# Altium PCB AMT5000-24.PcbDoc (continued)
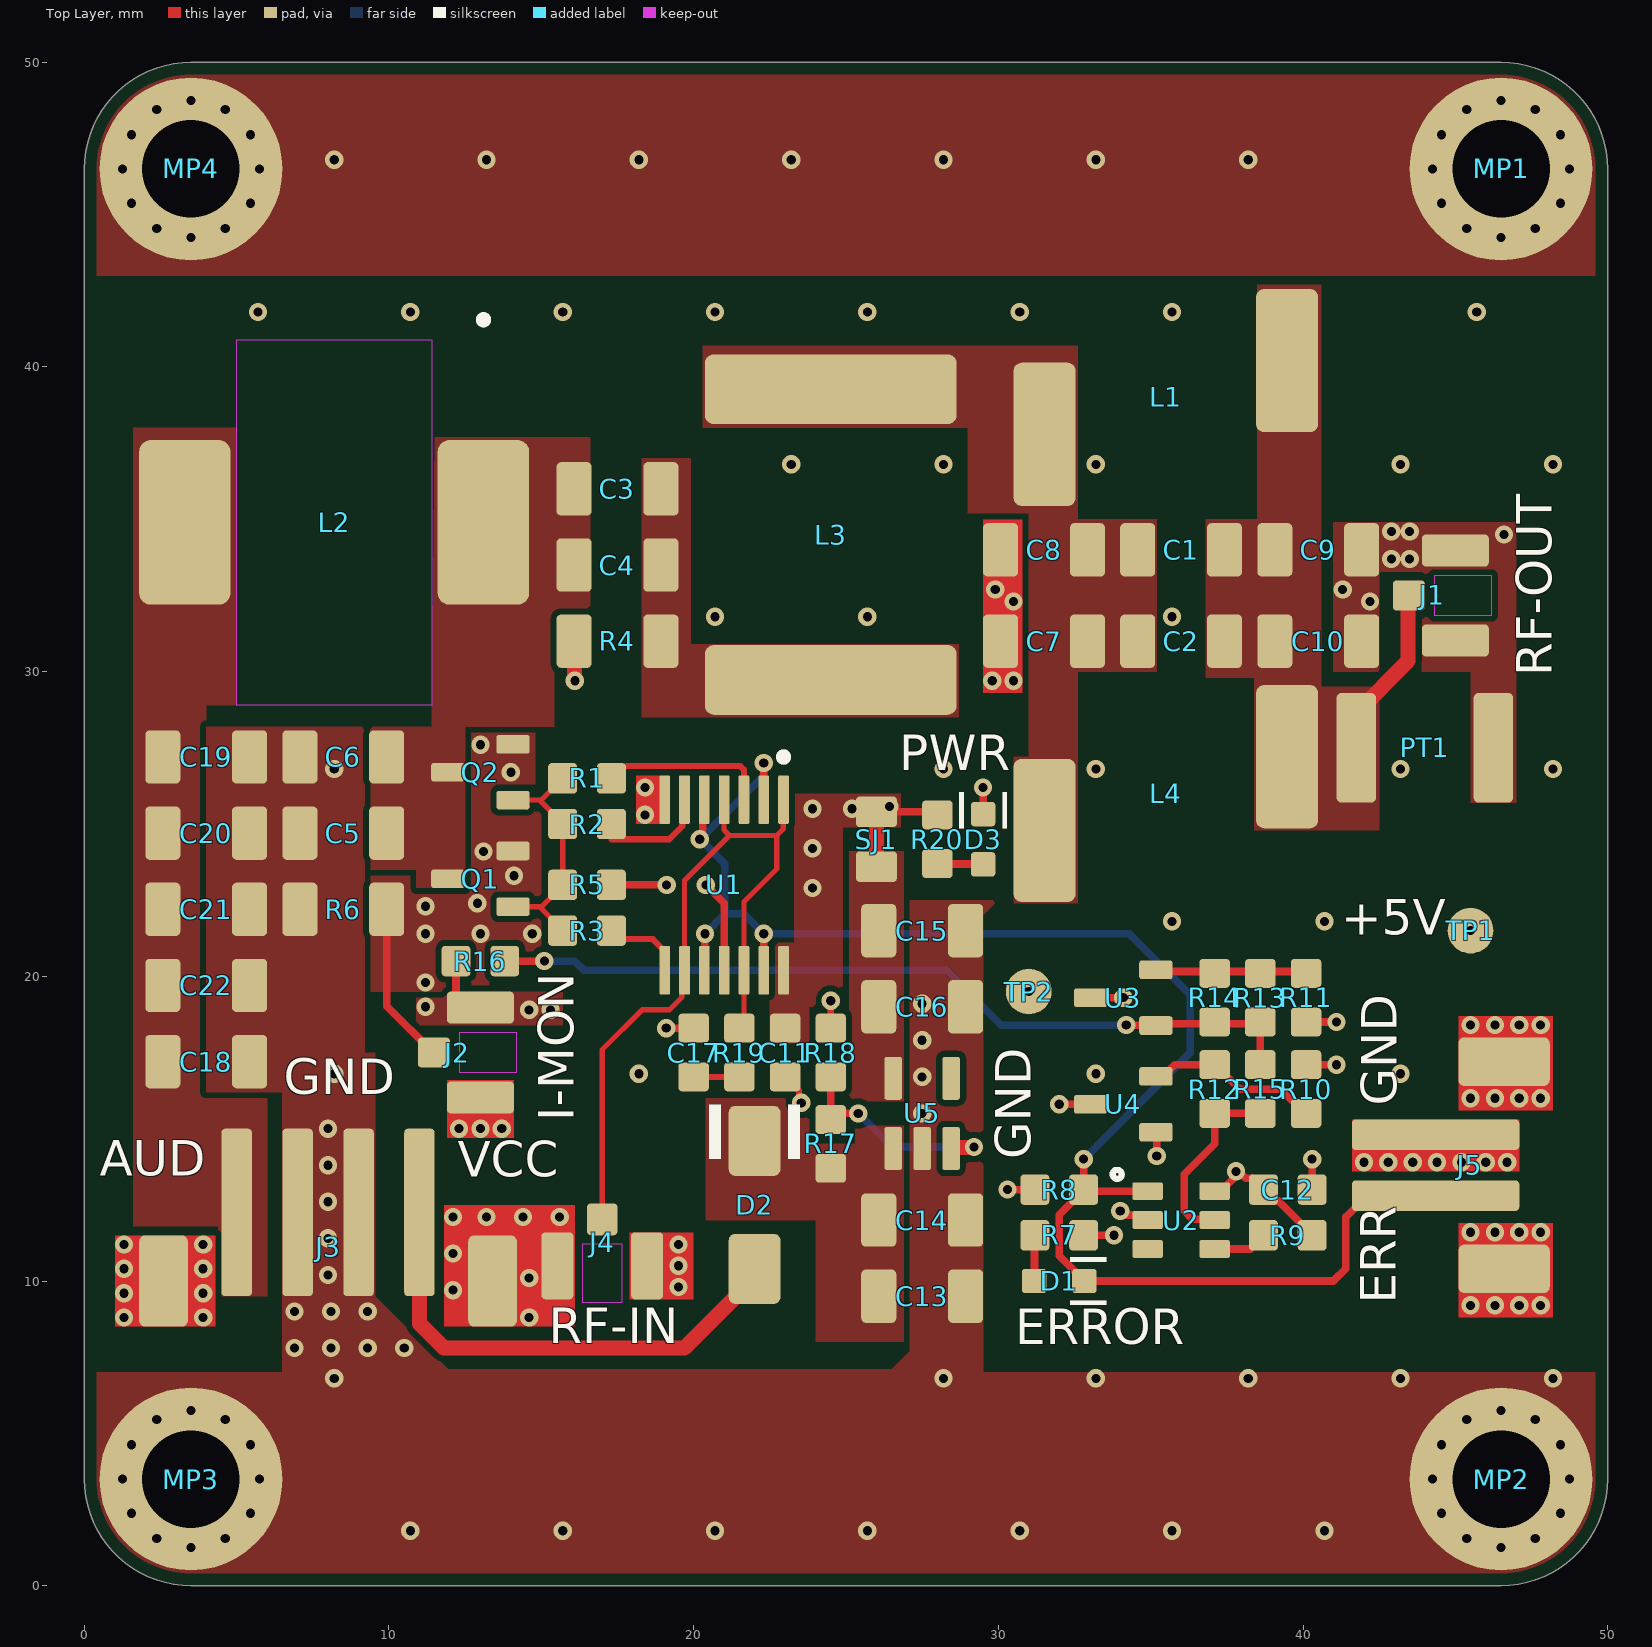
[diagram p0: Top Layer view]
## Components (designator, comment, footprint, x,y, rotation, side; value= is the part's Value field where it differs from the comment)
C1 "Capacitor 33pF +/-5% 50V NP0 1206" 1206-C-N 36,34 r0 top value=33pF
C2 "Capacitor 150pF +/-5% 100V NP0 1206" 1206-C-N 36,31 r180 top value=150pF
C3 "Capacitor 680pF +/-5% 100V NP0 1206" 1206-C-N 17.5,36 r0 top value=680pF
C4 "CC1206JKNPOCBN180" 1206-C-N 17.5,33.5 r0 top value=18pF
C5 "Capacitor 100pF +/-5% 630V NP0 Class I 1206" 1206-C-N 8.5,24.7 r0 top value=100pF
C6 "Capacitor 150pF +/-5% 100V NP0 1206" 1206-C-N 8.5,27.2 r0 top value=150pF
C7 "Capacitor 470pF +/-5% 100V NP0 1206" 1206-C-N 31.5,31 r0 top value=470pF
C8 "1206N820J102CT" 1206-C-N 31.5,34 r0 top value=82pF
C9 "Capacitor 470pF +/-5% 100V NP0 1206" 1206-C-N 40.5,34 r180 top value=470pF
C10 "1206N820J102CT" 1206-C-N 40.5,31 r180 top value=82pF
C11 "Capacitor 100nF +/-10% 50V X7R 0603" 0603-C-N 23,17.5 r90 top value=100nF
C12 "Capacitor 100nF +/-10% 50V X7R 0603" 0603-C-N 39.5,13 r180 top value=100nF
C13 "Capacitor 1µF +/-10% 50V X7R 1206" 1206-C-N 27.5,9.5 r180 top value=1µF
C14 "Capacitor 1µF +/-10% 50V X7R 1206" 1206-C-N 27.5,12 r180 top value=1µF
C15 "Capacitor 1µF +/-10% 50V X7R 1206" 1206-C-N 27.5,21.5 r180 top value=1µF
C16 "Capacitor 1µF +/-10% 50V X7R 1206" 1206-C-N 27.5,19 r180 top value=1µF
C17 "Capacitor 100nF +/-10% 50V X7R 0603" 0603-C-N 20,17.5 r270 top value=100nF
C18 "Capacitor 1µF +/-10% 50V X7R 1206" 1206-C-N 4,17.2 r180 top value=1µF
C19 "Capacitor 1µF +/-10% 50V X7R 1206" 1206-C-N 4,27.2 r180 top value=1µF
C20 "Capacitor 1µF +/-10% 50V X7R 1206" 1206-C-N 4,24.7 r180 top value=1µF
C21 "Capacitor 1µF +/-10% 50V X7R 1206" 1206-C-N 4,22.2 r180 top value=1µF
C22 "Capacitor 1µF +/-10% 50V X7R 1206" 1206-C-N 4,19.7 r180 top value=1µF
D1 "150060RS86000" WL-SMCW_0603_150060xx8x000 32,10 r180 top
D2 "B340AF-13" DO-214AC_UNI 22,12.5 r270 top
D3 "150060GS84000" WL-SMCW_0603_150060xx8x000 29.5,24.5 r270 top
J1 "U.FL-R-SMT(10)" HRS-U.FL-R-SMT_V 45,32.5 r270 top value=U.FL
J2 "U.FL-R-SMT(10)" HRS-U.FL-R-SMT_V 13,17.5 r270 top value=U.FL
J3 "620304124022" 620304124022 8,10 r0 top
J4 "U.FL-R-SMT(10)" HRS-U.FL-R-SMT_V 17,10.5 r180 top value=U.FL
J5 "620302124022" 620302124022 46.6,13.8 r90 top value=JST-PH
L1 "744918238" WE-CAIR_5910 35.5,39 r0 top
L2 "784771047" WE-PDA_1260 8.2,34.9 r180 top
L3 "2929SQ-331GEC" IND_2929SQ-331 24.5,34.5 r90 top value=330nH
L4 "744918238" WE-CAIR_5910 35.5,26 r0 top
MP1 "MountingHole" PTH-M3D6.5_VIA-RING 46.5,46.5 r0 top
MP2 "MountingHole" PTH-M3D6.5_VIA-RING 46.5,3.5 r0 top
MP3 "MountingHole" PTH-M3D6.5_VIA-RING 3.5,3.5 r0 top
MP4 "MountingHole" PTH-M3D6.5_VIA-RING 3.5,46.5 r0 top
PT1 "GTCC23-750M-R01-2" GDT_4532 44,27.5 r0 top value=75V
Q1 "IRLML2060TRPBF" SOT-23-3-N 13,23.2 r180 top value=IRLML2060
Q2 "IRLML2060TRPBF" SOT-23-3-N 13,26.7 r180 top value=IRLML2060
R1 "Jumper 0R <50 mOhm 1A 0603" 0603-R-N 16.5,26.5 r180 top value=0
R2 "Jumper 0R <50 mOhm 1A 0603" 0603-R-N 16.5,25 r180 top value=0
R3 "Jumper 0R <50 mOhm 1A 0603" 0603-R-N 16.5,21.5 r180 top value=0
R4 "CRG1206F1M0" 1206-R-N 17.5,31 r0 top value=1M
R5 "Jumper 0R <50 mOhm 1A 0603" 0603-R-N 16.5,23 r180 top value=0
R6 "Resistor 0.1R +/-1% 0.5W 1206" 1206-R-N 8.5,22.2 r180 top value=0.1
R7 "Resistor 10k +/-1% 50V 0603" 0603-R-N 32,11.5 r0 top value=10k
R8 "Resistor 10k +/-1% 50V 0603" 0603-R-N 32,13 r180 top value=10k
R9 "Resistor 68k +/-1% 50V 0603" 0603-R-N 39.5,11.5 r180 top value=68k
R10 "Resistor 10k +/-1% 50V 0603" 0603-R-N 40.1,16.3 r90 top value=10k
R11 "Resistor 10k +/-1% 50V 0603" 0603-R-N 40.1,19.3 r270 top value=10k
R12 "Resistor 1M +/-1% 50V 0603" 0603-R-N 37.1,16.3 r90 top value=1M
R13 "Resistor 15k +/-1% 50V 0603" 0603-R-N 38.6,19.3 r90 top value=15k
R14 "Resistor 68k +/-1% 50V 0603" 0603-R-N 37.1,19.3 r90 top value=68k
R15 "Resistor 330k +/-1% 50V 0603" 0603-R-N 38.6,16.3 r90 top value=330k
R16 "NCP18XH103F03RB" 0603-R-N 13,20.5 r0 top value=10k@25degC
R17 "Resistor 150k +/-1% 50V 0603" 0603-R-N 24.5,14.5 r90 top value=150k
R18 "Resistor 47k +/-1% 50V 0603" 0603-R-N 24.5,17.5 r90 top value=47k
R19 "Resistor 51R +/-1% 0.1W 0603" 0603-R-N 21.5,17.5 r90 top value=51
R20 "Resistor 10k +/-1% 50V 0603" 0603-R-N 28,24.5 r90 top value=10k
SJ1 "Solder jumper 2A" SJ-0805-2A 26,24.5 r90 top net-tie value=0mR
TP1 "Testpad with multiple sizes" TP_1.5mm_0.3mmHole 45.5,21.5 r0 top
TP2 "Testpad with multiple sizes" TP_1.5mm_0.3mmHole 31,19.5 r0 top
U1 "SN74ACT08PWR" FP-PW0014A-MFG 21,23 r270 top value=74ACT08
U2 "TPS3808G01DBVR" SOT-23-6 36,12 r0 top
U3 "LM4041DIM3X-ADJ/NOPB" SOT-23-3-N 34.1,19.3 r180 top value=LM4041
U4 "LM4041DIM3X-ADJ/NOPB" SOT-23-3-N 34.1,15.8 r180 top value=LM4041
U5 "TPS70950DBVR" SOT25-N 27.5,15.5 r90 top

## Footprints (in the part's own frame and the unit in brackets; to place one, negate y for a bottom-side part, rotate by r counter-clockwise, add the part's x,y. Pads: shape width x height; smd on the part's side, far side on the other; paste and mask are expansions set on the pad)
0603-C-N [mm]
  rrect25% 0.95x1 smd: 1(-0.8,0) 2(0.8,0)
  body extent -0.8,-0.4 0.8,0.4, height 0.81
0603-R-N [mm]
  rrect25% 0.95x1 smd: 1(-0.8,0) 2(0.8,0)
  body extent -0.8,-0.4 0.8,0.4, height 0.47
1206-C-N [mm] "Chip Capacitor, 2-Leads, 1206, IPC Medium Density"
  rrect25% 1.15x1.75 smd: 1(-1.425,0) 2(1.425,0)
  body extent -1.6,-0.8 1.6,0.8, height 1.16
1206-R-N [mm] "Chip Resistor, 2-Leads, 1206, IPC Medium Density"
  rrect25% 1.15x1.75 smd: 1(-1.425,0) 2(1.425,0)
  body extent -1.6,-0.8 1.6,0.8, height 0.62
620302124022 [mm] "2.00mm SMT Male Vertical Shrouded Header, 2p"
  rrect25% 1x5.5 smd: 1(1,2.25) 2(-1,2.25)
  rrect25% 1.6x3 smd: MP1(-3.4,0) MP2(3.4,0)
  body extent -4,-2.5 4,4.51, height 6.77
620304124022 [mm] "2.00mm SMT Male Vertical Shrouded Header, 4p"
  rrect25% 1x5.5 smd: 1(3,2.25) 2(1,2.25) 3(-1,2.25) 4(-3,2.25)
  rrect25% 1.6x3 smd: MP1(-5.4,0) MP2(5.4,0)
  body extent -6,-2.5 6,4.51, height 6.77
DO-214AC_UNI [mm] "SMA : 2-Leads. body 4.24x2.67mm"
  rrect25% 2.3x1.7 smd: 1(-2.1,0) 2(2.1,0)
  silkscreen extent -3.3,-1.5 -1.5,1.5, body extent -2.56,-1.33 2.56,1.34, height 2.24
FP-PW0014A-MFG [mm] "TSSOP14 : 5.0x4.4 wide body, 0.65mm pitch"
  rrect25% 1.6x0.35 smd paste-1000 mask+0: 1(-2.8,1.95) 2(-2.8,1.3) 3(-2.8,0.65) 4(-2.8,0) 5(-2.8,-0.65) 6(-2.8,-1.3) 7(-2.8,-1.95) 8(2.8,-1.95) 9(2.8,-1.3) 10(2.8,-0.65) 11(2.8,0) 12(2.8,0.65) 13(2.8,1.3) 14(2.8,1.95)
  silkscreen extent -4.32,1.83 -4.08,2.08, body extent -3.7,-2.8 3.7,2.8, height 0.25
GDT_4532 [mm]
  rrect25% 1.3x3.6 smd: 1(-2.25,0) 2(2.25,0)
  body extent -2.22,-1.52 2.28,1.68, height 2.71
HRS-U.FL-R-SMT_V [mm] "SMD, 3-Leads, Body 2.6x2.6mm"
  rrect25% 1.05x2.2 smd: 1(-1.475,0) 2(1.475,0)
  rrect25% 1x1.05 smd: 3(0,-1.525)
  Top Layer keep-out region: -0.65,-0.7 0.65,-0.7 0.65,1.2 -0.65,1.2
  body extent -1.48,-1.55 1.52,1.55, height 1.25
IND_2929SQ-331 [mm]
  rrect25% 2.29x8.26 smd: 1(-4.77,0) 2(4.77,0)
  body extent -5.33,-3.88 5.33,3.87, height 7.5
PTH-M3D6.5_VIA-RING [mm]
  round 6 hole 3.2: 1(0,0)
SJ-0805-2A [mm] "Solder jumper 0805 2A"
  rrect25% 1x1.35 smd: 1(-0.9,0) 2(0.9,0)
  Top Layer lines w0.5: -0.9,0 0.9,0
  body extent -1.05,-0.68 1.05,0.67, height 0.6
SOT25-N [mm] "SOT-23-5 IPC Nominal, EIAJ SC-74A, SOT753, TSOP5"
  rrect25% 1.407x0.576 smd: 1(-1.151,0.95) 2(-1.151,0) 3(-1.151,-0.95) 4(1.151,-0.95) 5(1.151,0.95)
  body extent -1.42,-1.5 1.42,1.5, height 1.2
SOT-23-3-N [mm] "SOT-23, 3-Leads, Body 3x1.4mm, Pitch 0.95mm, IPC Medium Density"
  rrect25% 1.09x0.61 smd: 1(-1.07,0.915) 2(-1.07,-0.915) 3(1.07,0)
  body extent -1.22,-1.5 1.22,1.5, height 1
SOT-23-6 [mm]
  rrect20% 1x0.58 smd: 1(-1.1,0.95) 2(-1.1,0) 3(-1.1,-0.95) 4(1.1,-0.95) 5(1.1,0) 6(1.1,0.95)
  silkscreen extent -2.25,1.35 -1.95,1.65, body extent -1.4,-1.45 1.4,1.45, height 1.45
TP_1.5mm_0.3mmHole [mm] "Centering hole to keep your DMM-probe in place so that it doesn't skid off to other signals."
  round 1.5 / inner round 0.6 / far side round 0.6 hole 0.3 mask+0.102: 1(0,0)
WE-CAIR_5910 [mm] "SMD Inductor, 2-Leads, Body 10.55x6.35mm"
  rrect25% 2.04x4.7 smd: 1(-3.98,-1.21) 2(3.98,1.21)
  body extent -4.5,-3.17 4.5,3.17, height 4.35
WE-PDA_1260 [mm] "SMD Shielded Power Inductor, 2-leads, body 12x12mm"
  rrect25% 3x5.4 smd: 1(-4.9,0) 2(4.9,0)
  Top Layer keep-out region: -3.2,-6 -3.2,6 3.2,6 3.2,-6
  silkscreen extent -5.03,-6.77 -4.78,-6.53, body extent -6,-6 6,6, height 5.9
WL-SMCW_0603_150060xx8x000 [mm] "SMD Mono-color Chip LED, body 1.6x0.8mm"
  rrect25% 0.8x0.8 smd: 1(-0.825,0) 2(0.825,0)
  silkscreen extent -1.55,-0.78 -0.35,0.8, body extent -0.8,-0.4 0.8,0.4, height 0.95

## Part data
C1: library part CMP-072-000282-14, "WCAP-CSGP Multilayer Ceramic Chip Capacitor, General Purpose, size 1206, NP0, 33pF, 50VDC", Capacitor Type=MLCC, Case/Package=1206, Dielectric=NP0, Insulation Resistance=10GO, JLCPCB Part #=C571053, Max Operating Temperature=125°C, Min Operating Temperature=-55°C, Tolerance=5%, Voltage Rating=50V, ComponentLink1Description="Website Link", ComponentLink1URL=https://www.we-online.com/redexpert/article/885012008040?ad, ComponentLink2Description="Datasheet Link", ComponentLink2URL=https://www.we-online.com/redexpert/spec/885012008040?ad, Design Item ID=885012008040, Height=0.8mm, Length=3.2mm, Match Code=WCAP-CSGP, Mounting Technology=SMT, Packaging="Tape and Reel", Pins=2, Q Factor=1000, Source=WCAP-CSGP.SchLib, Technical Reference=NP01206330J050DFCT10000, Usage="General Purpose", Width=1.6mm
C2 C6: library part CMP-072-000302-14, "WCAP-CSGP Multilayer Ceramic Chip Capacitor, General Purpose, size 1206, NP0, 150pF, 100VDC", Capacitor Type=MLCC, Case/Package=1206, Dielectric=NP0, Insulation Resistance=10GO, JLCPCB Part #=C162445, Max Operating Temperature=125°C, Min Operating Temperature=-55°C, Tolerance=5%, Voltage Rating=100V, ComponentLink1Description="Website Link", ComponentLink1URL=https://www.we-online.com/redexpert/article/885012008068?ad, ComponentLink2Description="Datasheet Link", ComponentLink2URL=https://www.we-online.com/redexpert/spec/885012008068?ad, Design Item ID=885012008068, Height=0.8mm, Length=3.2mm, Match Code=WCAP-CSGP, Mounting Technology=SMT, Packaging="Tape and Reel", Pins=2, Q Factor=1000, Source=WCAP-CSGP.SchLib, Technical Reference=NP01206151J100DFCT10000, Usage="General Purpose", Width=1.6mm
C3: library part CMP-072-000305-14, "WCAP-CSGP Multilayer Ceramic Chip Capacitor, General Purpose, size 1206, NP0, 680pF, 100VDC", Capacitor Type=MLCC, Case/Package=1206, Dielectric=NP0, Insulation Resistance=10GO, JLCPCB Part #=C541497, Max Operating Temperature=125°C, Min Operating Temperature=-55°C, Tolerance=5%, Voltage Rating=100V, ComponentLink1Description="Website Link", ComponentLink1URL=https://www.we-online.com/redexpert/article/885012008072?ad, ComponentLink2Description="Datasheet Link", ComponentLink2URL=https://www.we-online.com/redexpert/spec/885012008072?ad, Design Item ID=885012008072, Height=0.8mm, Length=3.2mm, Match Code=WCAP-CSGP, Mounting Technology=SMT, Packaging="Tape and Reel", Pins=2, Q Factor=1000, Source=WCAP-CSGP.SchLib, Technical Reference=NP01206681J100DFCT10000, Usage="General Purpose", Width=1.6mm
C4: library part CMP-001-00140-2, "Surface Mount Ceramic Multilayer Capacitor 18pF 5% C0G 1kV 1206 Blister T/R", Case/Package=1206, JLCPCB Part #=C33039, Max Operating Temperature=125°C, Min Operating Temperature=-55°C, Tolerance=5%, Voltage Rating=1kV, Length=0.126inch, Mounting Technology="Surface Mount", Packaging="Tape and Reel", RoHS Compliant=Yes, Series=CC, Thickness=0.057inch, Width=0.063inch
C5: library part CMP-082-000014-11, "WCAP-CSMH Multilayer Ceramic Chip Capacitor, Mid and High Voltage, 1206, NP0 Class I, 100pF, 630VDC", Capacitor Type=MLCC, Case/Package=1206, Dielectric="NP0 Class I", Insulation Resistance=10GOhm, JLCPCB Part #=C9188, Max Operating Temperature=125°C, Min Operating Temperature=-55°C, Tolerance=5%, Voltage Rating=630V, ComponentLink1Description="Manufacturer Link", ComponentLink1URL=https://www.we-online.com/redexpert/article/885342008004?ad, ComponentLink2Description=Datasheet, ComponentLink2URL=https://www.we-online.com/redexpert/spec/885342008004?ad, Design Item ID=885342008004, Height=0.8mm, Length=3.2mm, Match Code=WCAP-CSMH, Mounting Technology=SMT, Packaging="Tape and Reel", Pins=2, Q Factor=1000, Source=WCAP-CSMH.SchLib, Technical Reference=NP01206101J630DFCT10000, Usage="Mid and High Voltage", Width=1.6mm
C7 C9: library part CMP-072-000304-14, "WCAP-CSGP Multilayer Ceramic Chip Capacitor, General Purpose, size 1206, NP0, 470pF, 100VDC", Capacitor Type=MLCC, Case/Package=1206, Dielectric=NP0, Insulation Resistance=10GO, JLCPCB Part #=C107177, Max Operating Temperature=125°C, Min Operating Temperature=-55°C, Tolerance=5%, Voltage Rating=100V, ComponentLink1Description="Website Link", ComponentLink1URL=https://www.we-online.com/redexpert/article/885012008071?ad, ComponentLink2Description="Datasheet Link", ComponentLink2URL=https://www.we-online.com/redexpert/spec/885012008071?ad, Design Item ID=885012008071, Height=0.8mm, Length=3.2mm, Match Code=WCAP-CSGP, Mounting Technology=SMT, Packaging="Tape and Reel", Pins=2, Q Factor=1000, Source=WCAP-CSGP.SchLib, Technical Reference=NP01206471J100DFCT10000, Usage="General Purpose", Width=1.6mm
C8 C10: library part CMP-001-00141-1, "Cap Ceramic 82pF 1000V C0G 5% Pad SMD 1206 125C T/R", Case Code (Metric)=3216, Case/Package=1206, JLCPCB Part #=C396810, Voltage Rating (DC)=1kV, Lead Free="Lead Free", RoHS Compliant=Yes
C11 C12 C17: library part CMP-072-000619-14, "WCAP-CSGP Multilayer Ceramic Chip Capacitor, General Purpose, size 0603, X7R, 100nF, 50VDC", Capacitor Type=MLCC, Case/Package=0603, Dielectric=X7R, Insulation Resistance=5GO, JLCPCB Part #=C14663, Max Operating Temperature=125°C, Min Operating Temperature=-55°C, Tolerance=10%, Voltage Rating=50V, ComponentLink1Description="Website Link", ComponentLink1URL=https://www.we-online.com/redexpert/article/885012206095?ad, ComponentLink2Description="Datasheet Link", ComponentLink2URL=https://www.we-online.com/redexpert/spec/885012206095?ad, Design Item ID=885012206095, Dissipation Factor=3%, Height=0.8mm, Length=1.6mm, Match Code=WCAP-CSGP, Mounting Technology=SMT, Packaging="Tape and Reel", Pins=2, Source=WCAP-CSGP.SchLib, Technical Reference=X7R0603104K050DFCT10000, Usage="General Purpose", Width=0.8mm
C13 C14 C15 C16 C18 C19 C20 C21 C22: library part CMP-072-000852-15, "WCAP-CSGP Multilayer Ceramic Chip Capacitor, General Purpose, size 1206, X7R, 1µF, 50VDC", Capacitor Type=MLCC, Case/Package=1206, Dielectric=X7R, Insulation Resistance=0.5GO, JLCPCB Part #=C1848, Max Operating Temperature=125°C, Min Operating Temperature=-55°C, Tolerance=10%, Voltage Rating=50V, ComponentLink1Description="Website Link", ComponentLink1URL=https://www.we-online.com/redexpert/article/885012208093?ad, ComponentLink2Description="Datasheet Link", ComponentLink2URL=https://www.we-online.com/redexpert/spec/885012208093?ad, Design Item ID=885012208093, Dissipation Factor=3%, Height=1.6mm, Length=3.2mm, Match Code=WCAP-CSGP, Mounting Technology=SMT, Packaging="Tape and Reel", Page Part #=CCOK105, Pins=2, Source=WCAP-CSGP.SchLib, Technical Reference=X7R1206105K050DFCT10000, Usage="General Purpose", Width=1.6mm
D1: library part CMP-002-001080-9, "WL-SMCW Mono-color Chip LED Waterclear, size 0603, Red, 2V, 60°", Case/Size Code=0603, Emitting Color=Red, Forward Voltage=2V, JLCPCB Part #=C5875741, Manufacturer="Wurth Elektronik", Operating Temperature Max=85°C, Operating Temperature Min=-40°C, Category="Signal LEDs", Chip Technology=AlInGaP, Component Type=Standard, ComponentLink1Description="Website Link", ComponentLink1URL=https://www.we-online.com/redexpert/article/150060RS86000?ad, ComponentLink2Description="Datasheet Link", ComponentLink2URL=https://www.we-online.com/redexpert/spec/150060RS86000?ad, Design Item ID=150060RS86000, Dominant Wavelength=624nm, Height=0.95mm, Length=1.6mm, Luminous Intensity=800mcd, Manufacturer Part Number=150060RS86000, Match Code=WL-SMCW, Mount="Surface Mount", Packaging="Tape and Reel", Peak Wavelength=632nm, Pin Count=2, Source=WL-SMCW.SchLib, Viewing Angle=60°, Width=0.8mm
D2: library part CMP-004-00050-6, "Diode 40 V 3A Surface Mount SMAF", Case/Package=SMA, Forward Current=3A, Forward Voltage="500 mV @ 3 A", JLCPCB Part #=C172880, Max Reverse Voltage (DC)=40V, Mounting Technology="Surface Mount", Packaging="Cut Tape", RoHS Compliant=Yes, Series=-
D3: library part CMP-002-001076-13, "WL-SMCW Mono-color Chip LED Waterclear, size 0603, Green, 3.3V, 40°", Case/Size Code=0603, Emitting Color=Green, Forward Voltage=3.3V, JLCPCB Part #=C965804, Manufacturer="Wurth Elektronik", Operating Temperature Max=85°C, Operating Temperature Min=-40°C, Category="Signal LEDs", Chip Technology=InGaN, Component Type=Standard, ComponentLink1Description="Website Link", ComponentLink1URL=https://www.we-online.com/redexpert/article/150060GS84000?ad, ComponentLink2Description="Datasheet Link", ComponentLink2URL=https://www.we-online.com/redexpert/spec/150060GS84000?ad, Design Item ID=150060GS84000, Dominant Wavelength=525nm, Height=0.95mm, Length=1.6mm, Luminous Intensity=3000mcd, Manufacturer Part Number=150060GS84000, Match Code=WL-SMCW, Mount="Surface Mount", Packaging="Tape and Reel", Peak Wavelength=520nm, Pin Count=2, Source=WL-SMCW.SchLib, Viewing Angle=40°, Width=0.8mm
J1 J2 J4: library part CMP-002-00035-12, "Ultra Small Surface Mount Coaxial Connector, 50 Ohm, -40 to 90 degC, 3-Pin SMD, RoHS, Tape and Reel", Case/Package=U.FL-R-SMT, JLCPCB Part #=C88373, Manufacturer="Hirose Electric", Max Operating Temperature=90°C, Min Operating Temperature=-40°C, Package Description="3-Pin Surface Mount Device, Body 2.6 x 2.6 mm", Package Quantity=2500, Resistance=50Ohm, Connector Type=RF&Coax, Contact Material=Brass, Contact Plating=Gold, Datasheet URL=https://www.hirose.com/product/en/download_file/key_name/U.FL/category/Catalog/doc_file_id/31697/?file_category_id=4&item_id=15&is_series=1, Datasheet Version=Aug-16, Fastening Type=Snap, Impedance=50Ohm, Manufacturer URL=https://www.hirose.com, Mounting Technology=SM, Package Reference=U.FL-R-SMT, Packaging=TapeandReel, RoHS Compliant=True
J3: library part CMP-047-000051-7, "WR-WTB SMT Male Vertical Shrouded Header, pitch 2mm, 4p", Contact Resistance=20mOhm, JLCPCB Part #=C160354, Operating Temperature="-25 to +85degC", Rated Current=2A, Withstanding Voltage=800VAC, Working Voltage=100VAC, Component Type=Standard, ComponentLink1Description=Manufacturer, ComponentLink1URL=http://www.we-online.de, ComponentLink2Description=Datasheet, ComponentLink2URL=https://www.we-online.com/catalog/datasheet/620304124022.pdf, Design Item ID=620304124022, Gender=Male, Mounting Technology=SMT, Packaging="Tape and Reel", Part Number=620304124022, Pin Count=4, Pin Number=4, Pitch=2mm, Published Date="January 2020", Publisher="Wurth Elektronik", Source=WR-WTB_2.00mm.SchLib, Type=Vertical
J5: library part CMP-047-000049-9, "WR-WTB SMT Male Vertical Shrouded Header, pitch 2mm, 2p", Contact Resistance=20mOhm, JLCPCB Part #=C160352, Operating Temperature="-25 to +85degC", Rated Current=2A, Withstanding Voltage=800VAC, Working Voltage=100VAC, Component Type=Standard, ComponentLink1Description=Manufacturer, ComponentLink1URL=http://www.we-online.de, ComponentLink2Description=Datasheet, ComponentLink2URL=https://www.we-online.com/catalog/datasheet/620302124022.pdf, Design Item ID=620302124022, Gender=Male, Mounting Technology=SMT, Packaging="Tape and Reel", Part Number=620302124022, Pin Count=2, Pin Number=2, Pitch=2mm, Published Date="January 2020", Publisher="Wurth Elektronik", Source=WR-WTB_2.00mm.SchLib, Type=Vertical
L1 L4: library part CMP-165-000056-2, "WE-CAIR SMT Air Coil, size 5910, 380nH, 2.5A, 50mO", Case/Size Code=5910, DC Resistance Max=50mO, Inductance=380nH, Inductance Tolerance=5%, JLCPCB Part #=-, Manufacturer="Wurth Elektronik", Operating Temperature Max=125°C, Operating Temperature Min=-40°C, Rated Current=2.5A, Self Resonant Frequency=0.59GHz, Category="RF Inductors", Component Type=Standard, ComponentLink1Description="Website Link", ComponentLink1URL=https://www.we-online.com/redexpert/article/744918238?ad, ComponentLink2Description="Datasheet Link", ComponentLink2URL=https://www.we-online.com/redexpert/spec/744918238?ad, Design Item ID=744918238, Height=5.9mm, Length=10.55mm, Manufacturer Part Number=744918238, Match Code=WE-CAIR, Mount="Surface Mount", Packaging="Tape and Reel", Pin Count=2, Q Factor=100, Source=WE-CAIR.SchLib, Width=6.35mm
L2: library part CMP-163-000034-2, "WE-PDA SMT Shielded Power Inductor, size 1260, 4.7uH, 6.2A, 17.5mOhm", Case/Size Code=1260, DC Resistance=14.5mOhm, DC Resistance Max=17.5mOhm, Inductance=4.7uH, Manufacturer="Wurth Elektronik", Operating Temperature Max=125°C, Operating Temperature Min=-40°C, Rated Current=6.2A, Saturation Current=8A, Self Resonant Frequency=49.8MHz, Automotive=Yes, Category="Power Inductors", Component Type=Standard, ComponentLink1Description="Website Link", ComponentLink1URL=https://www.we-online.com/redexpert/article/784771047?ad, ComponentLink2Description="Datasheet Link", ComponentLink2URL=https://www.we-online.com/redexpert/spec/784771047?ad, Design Item ID=784771047, Height=6mm, Length=12mm, Manufacturer Part Number=784771047, Match Code=WE-PDA, Mount="Surface Mount", Packaging="Tape and Reel", Pin Count=2, Source=WE-PDA.SchLib, Width=12mm
L3: library part CMP-006-00042-1, "RF inductor, air core, 2% tol, SMT, RoHS, halogen-free", Case/Package=SMD/SMT, Current Rating=4.7A, Inductance Tolerance=5%, JLCPCB Part #=C20623511, Max Operating Temperature=125°C, Min Operating Temperature=-40°C, Self Resonant Frequency=660MHz, Test Frequency=50MHz, Tolerance=2%, Core Material=Air, Height=7.24mm, Lead Free=Yes, Length=14.1mm, Max DC Current=4.7A, Packaging="Tape and Reel", Q Factor=180, Reach SVHC Compliant=No, RMS Current (Irms)=4.7A, RoHS Compliant=Yes, Series=2929SQ, Termination=SMD/SMT, Width=7.24mm
MP1 MP2 MP3 MP4: library part CMP-00028-00004-15, "Mounting hole.  Add this so that mounting holes placed in your design don't automagically disappear when you import changes from the schematic.", Pins=1
PT1: library part CMP-142-000015-1, "Gas Discharge Tubes - GDTs / Gas Plasma Arrestors 75VDC 2-POLE 600V @1KV/US", Case Code (Imperial)=1812, Case Code (Metric)=4532, JLCPCB Part #=C9234, Tolerance=20%, Case/Package=1812, Fail Short=No, Lead Free="Lead Free", Mounting Technology="Surface Mount", Number of Poles=2, Packaging="Cut Tape", RoHS Compliant=Yes, Series=GT
Q1 Q2: library part CMP-142-000014-3, "60V Single N-Channel HEXFET Power MOSFET in a Micro 3 package, SOT23-3, RoHS", Case/Package=SOT-23, Continuous Drain Current (ID)=1.2A, Drain to Source Voltage (Vdss)=60V, Drain-source On Resistance-Max=480MR, Gate to Source Voltage (Vgs)=16V, Input Capacitance=64pF, JLCPCB Part #=C67275, Max Operating Temperature=150°C, Max Power Dissipation=1.25W, Min Operating Temperature=-55°C, Threshold Voltage=2.5V, Height=1.02mm, Lead Free="Lead Free", Length=3.04mm, Mounting Technology="Surface Mount", Pins=3, Reach SVHC Compliant=No, Recovery Time=21ns, RoHS Compliant=Yes, Turn-Off Delay Time=3.7ns, Turn-On Delay Time=4.9ns, Width=1.4mm
R1 R2 R3 R5: library part CMP-009-00006-26, "Chip Jumper, Thick Film, Jumper, 0603, 100mW, 1A, 0 Ohm, <50 mOhm", Case/Package=0603, Current Rating=1A, JLCPCB Part #=C21189, Max Operating Temperature=155°C, Min Operating Temperature=-55°C, Power Rating=100mW, Resistor Type="Thick Film", Tolerance="50 mOhm", Voltage Rating=75V, Elements=1, FLIR Part #=YRES0E-1, Mounting Technology=SMT, Page Part #=ROQJ0000, Pins=2, RoHS Compliant=True, Usage=Jumper
R4: library part CMP-009-00382-2, "Res Thick Film 1206 1M Ohm 1% 0.25W(1/4W) ±100ppm/C SMD T/R", Case Code (Imperial)=1206, Case Code (Metric)=3216, JLCPCB Part #=C17927, Max Operating Temperature=125°C, Max Power Dissipation=250mW, Min Operating Temperature=-55°C, Number of Resistors=1, Operating Supply Voltage=200V, Package Quantity=5000, Resistor Type="Thick Film", Temperature Coefficient=100ppm/°C, Tolerance=1%, Case/Package=1206, Depth=1.55mm, ELV=Compliant, Height=0.55mm, Length=3.1mm, Military Standard=Not, Mounting Technology="Surface Mount", Number of Terminations=2, Packaging="Tape and Reel", Pins=1206, Power Rating=250mW, RoHS Compliant=Yes, Series="CRG, Neohm", Technology="THICK FILM", Termination=Solder, Voltage Rating=200V, Weight=0.000571oz, Width=1.55mm
R6: library part CMP-009-00286-9, "Res Thick Film 1206 0.1 Ohm 1% 1/2W ±100ppm/°C Molded SMD SMD Paper T/R", Case Code (Imperial)=1206, Case Code (Metric)=3216, JLCPCB Part #=C346763, Max Operating Temperature=155°C, Max Power Dissipation=500mW, Min Operating Temperature=-55°C, Resistor Type="Thick Film", Temperature Coefficient=100ppm/°C, Tolerance=1%, Case/Package=1206, Construction=Rectangular, Contact Plating=Tin,Matte, Depth=1.55mm, FLIR Part #=YRES0E1-3, Height=0.026inch, Lead Free="Lead Free", Length=0.12inch, Military Standard=Not, Mounting Technology="Surface Mount", Number of Terminations=2, Packaging="Tape and Reel", Power Rating=500mW, Radiation Hardening=No, RoHS Compliant=Yes, Series=CSR, Usage="General Purpose", Width=0.061inch
R7 R8 R10 R11 R20: library part CMP-009-00017-28, "Chip Resistor, Thick Film, General Purpose, 0603, 100mW, 50V, 10 kOhm, +/-1%", Case/Package=0603, JLCPCB Part #=C25804, Max Operating Temperature=155°C, Min Operating Temperature=-55°C, Power Rating=100mW, Resistor Type="Thick Film", Tolerance=1%, Voltage Rating=50V, Elements=1, FLIR Part #=YRES10K-1, Mounting Technology=SMT, Page Part #=ROQF1002, Pins=2, RoHS Compliant=Yes, Usage="General Purpose"
R9 R14: library part CMP-009-00207-23, "Chip Resistor, Thick Film, General Purpose, 0603, 100mW, 50V, 68 kOhm, +/-1%", Case/Package=0603, JLCPCB Part #=C114633, Max Operating Temperature=155°C, Min Operating Temperature=-55°C, Power Rating=100mW, Resistor Type="Thick Film", Tolerance=1%, Voltage Rating=50V, Elements=1, Mounting Technology=SMT, Page Part #=ROQF6802, Pins=2, RoHS Compliant=Yes, Usage="General Purpose"
R12: library part CMP-009-00234-17, "Chip Resistor, Thick Film, General Purpose, 0603, 100mW, 50V, 1 MOhm, +/-1%", Case/Package=0603, JLCPCB Part #=C22935, Max Operating Temperature=155°C, Min Operating Temperature=-55°C, Power Rating=100mW, Resistor Type="Thick Film", Tolerance=1%, Voltage Rating=50V, Elements=1, Mounting Technology=SMT, Pins=2, RoHS Compliant=Yes, Usage="General Purpose"
R13: library part CMP-009-00284-14, "Chip Resistor, Thick Film, General Purpose, 0603, 100mW, 50V, 15 kOhm, +/-1%", Case/Package=0603, JLCPCB Part #=C22809, Max Operating Temperature=155°C, Min Operating Temperature=-55°C, Power Rating=100mW, Resistor Type="Thick Film", Temperature Coefficient=100ppm/°C, Tolerance=1%, Voltage Rating=50V, Elements=1, Features="Moisture Resistant", Lead Free="Lead Free", Mounting Technology=SMT, Page Part #=ROQF1502, Pins=2, RoHS Compliant=Yes, Usage="General Purpose"
R15: library part CMP-009-00316-10, "Chip Resistor, Thick Film, General Purpose, 0603, 100mW, 50V, 330 kOhm, +/-1%", Case/Package=0603, JLCPCB Part #=C23137, Max Operating Temperature=155°C, Min Operating Temperature=-55°C, Power Rating=100mW, Resistor Type="Thick Film", Temperature Coefficient=100ppm/°C, Tolerance=1%, Voltage Rating=50V, Elements=1, Mounting Technology=SMT, Pins=2, Usage="General Purpose"
R16: library part CMP-010-00032-14, "Thermistor NTC 10K Ohm 5% 2-Pin 0603 Surface Mount Solder Pad 3450K T/R", Beta Value=3428k, Case/Package=0603, JLCPCB Part #=C13564, Max Operating Temperature (MaOT)=125, Min Operating Temperature (MiOT)=-40, Tolerance=1%, Page Part #=RNTC10KNCP
R17: library part CMP-009-00237-19, "Chip Resistor, Thick Film, General Purpose, 0603, 100mW, 50V, 150 kOhm, +/-1%", Case/Package=0603, JLCPCB Part #=C22807, Max Operating Temperature=155°C, Min Operating Temperature=-55°C, Power Rating=100mW, Resistor Type="Thick Film", Tolerance=1%, Voltage Rating=50V, Elements=1, FLIR Part #=YRES150K-1, Mounting Technology=SMT, Pins=2, RoHS Compliant=Yes, Usage="General Purpose"
R18: library part CMP-009-00195-22, "Chip Resistor, Thick Film, General Purpose, 0603, 100mW, 50V, 47 kOhm, +/-1%", Case/Package=0603, JLCPCB Part #=C25819, Max Operating Temperature=155°C, Min Operating Temperature=-55°C, Power Rating=100mW, Resistor Type="Thick Film", Temperature Coefficient=100ppm/°C, Tolerance=1%, Voltage Rating=50V, Elements=1, FLIR Part #=YRES47K-1, Mounting Technology=SMT, Page Part #=ROQF4702, Pins=2, REACH SVHC="No SVHC", Usage="General Purpose"
R19: library part CMP-009-00338-5, "Res Thick Film 0603 51 Ohm 1% 1/10W ±100ppm/°C Molded SMD SMD Paper T/R", Case/Package=0603, JLCPCB Part #=C23197, Max Operating Temperature=155°C, Min Operating Temperature=-55°C, Power Rating=100mW, Resistor Type="Thick Film", Temperature Coefficient=100ppm/°C, Tolerance=1%, Elements=1, Features="Automotive AEC-Q200", Lead Free="Lead Free", Mounting Technology=SMT, Pins=2, Radiation Hardening=No, RoHS Compliant=Yes, Usage="General Purpose"
SJ1: library part CMP-009-00343-3, "Zero Ohm Resistor, Jumper, 0805 [2012 Metric], Thick Film, 125 mW, 2 A, Surface Mount", Case Code (Imperial)=0805, Case Code (Metric)=2012, JLCPCB Part #=C96345, Max Operating Temperature=155°C, Max Power Dissipation=125mW, Min Operating Temperature=-55°C, Resistance Tolerance=5%, Resistor Type="Thick Film", Temperature Coefficient=200ppm/°C, Voltage Rating=150V, Voltage Rating (AC)=200V, Case/Package=0805, Construction=Rectangular, Contact Plating=Tin,Matte, Depth=1.25mm, Features="Moisture Resistant", Height=0.5mm, Lead Free="Lead Free", Length=2mm, Military Standard=Not, Number of Terminations=2, Packaging="Tape and Reel", Pins=2, Power Rating=125mW, Reach SVHC Compliant=Unknown, RoHS Compliant=Yes, Series=RC, Technology="THICK FILM", Termination=SMD/SMT, Tolerance=5%, Usage=Jumper, Voltage Rating (DC)=150V, Width=1.25mm
TP1 TP2: library part CMP-027-000000-17, "Testpad land", Component Type=Standard, Design Item ID=Testpad, Pin Count=1
U1: library part CMP-016-00028-1, "4-ch, 2-input, 4.5-V to 5.5-V AND gates with TTL-compatible CMOS inputs 14-TSSOP -40 to 85", Case/Package=TSSOP, High Level Output Current=-24mA, JLCPCB Part #=C544637, Low Level Output Current=24mA, Max Operating Temperature=85°C, Max Supply Voltage=5.5V, Min Operating Temperature=-40°C, Min Supply Voltage=4.5V, Operating Supply Voltage=5V, Output Current=24A, Package Quantity=1, Quiescent Current=2uA, Lead Free="Lead Free", Logic Function="AND GATE", Mounting Technology="Surface Mount", Number of Bits=4, Number of Circuits=4, Number of Elements=4, Number of Gates=4, Number of Input Lines=2, Number of Inputs=2, Number of Output Lines=1, Number of Outputs=1, Packaging="Tape and Reel", Pins=14, Propagation Delay=9ns, Radiation Hardening=No, Reach SVHC Compliant=No, RoHS Compliant=Yes, Series=74ACT, Technology=CMOS, Turn-On Delay Time=10ns, Weight=0.002018oz
U2: library part CMP-019-00093-4, "Supervisor Open Drain or Open Collector 1 Channel SOT-23-6", JLCPCB Part #=C19653
U3 U4: library part CMP-019-00107-2, "Fixed & adjustable, 45-µA, precision micropower shunt voltage reference 3-SOT-23 -40 to 85", Case/Package=SOT-23, Cathode Current=70uA, JLCPCB Part #=C2156756, Max Operating Temperature=125°C, Max Output current=12mA, Max Output Voltage=10V, Min Operating Temperature=-40°C, Package Quantity=3000, Temperature Coefficient=150ppm/°C, Tolerance=1%, Lead Free="Lead Free", Mounting Technology="Surface Mount", Number of Channels=1, Output Current=12mA, Output Voltage=10V, Packaging="Tape and Reel", Pins=3, Radiation Hardening=No, Reference Type=Shunt,Adjustable, RoHS Compliant=Yes, Series=LM4041-N
U5: library part CMP-019-00109-1, "Linear Voltage Regulator IC Positive Fixed 1 Output 5V 150mA SOT-23-5", Case/Package=SOT-23-5, Dropout Voltage=690mV, JLCPCB Part #=C96028, Max Operating Temperature=125°C, Max Output current=150mA, Max Supply Voltage=30V, Min Current Limit=200mA, Min Input Voltage=2.7V, Min Operating Temperature=-40°C, Nominal Output Voltage=5V, Package Quantity=1, Power Supply Rejection Ratio (PSRR)=80dB, Accuracy=2%, Lead Free="Lead Free", Mounting Technology="Surface Mount", Number of Outputs=1, Number of Regulators=1, Output Current=150mA, Output Type=Fixed, Output Voltage=5V, Packaging="Tape and Reel", Pins=5, Polarity=Positive, Radiation Hardening=No, Reach SVHC Compliant=No, RoHS Compliant=Yes, Series=-

## Via types
v1: diameter 0.6, hole 0.3, Top Layer to Bottom Layer, tented both sides, 213 vias

## Nets (pads, with @x,y where several pads share a name; then routed paths per layer and width w, separated by ;. In a path a pad name is that pad's centre, name@x,y a point inside that pad or via, vN(x,y) a via of type N, cw(c..) or ccw(c..) an arc to the next point about the centre after c; other vN are vias at no path point)
1V23: R10.1 R12.2 U4.2 | length 5.8
  Top Layer w0.25: U4.2 35.41,16.715 35.795,17.1 R12.2 37.125,17.1 37.925,16.3 39.275,16.3 40.075,15.5 R10.1
+5V: C11.2 C12.2 R7.2 R8.2 R9.1 R10.2 R11.2 R20.2 SJ1.2 TP1.1 U1.14 U2.6 | length 10.2
  Top Layer w0.25: SJ1.2 27.7,25.4 R20.2@27.7,25.5 ; v1(30.3,13) R8.2 ; R7.2 v1(33.8,11.5) ; U2.6 37.31,12.95 37.733,13.373 37.733,13.533 v1(37.8,13.6) 37.895,13.6 38.12,13.375 38.35,13.375 38.7,13.025 C12.2 38.7,12.975 39.05,12.625 39.2,12.625 40.3,11.525 R9.1 ; R10.2 v1(41.1,17.1) ; R11.2 v1(41.1,18.5)
  other v1: 23.9,22.9 23.9,24.2 23.9,25.5 25.2,25.5 26.424,25.576
AUDIO: C18.2 C19.2 C20.2 C21.2 C22.2 J3.4 L2.2
DRAIN: C3.1 C4.1 C5.2 C6.2 L2.1 Q1.3 Q2.3
ERR: D1.1 J5.2 R8.1 U1.2 U1.5 U1.10 U1.13 U2.1 | length 55.8
  Top Layer w0.25: v1(20.2,24.5) 20.2,24.595 20.3,24.695 20.3,25.75 U1.5 ; U1.10 20.363,20.213 20.363,21.388 v1(20.375,21.4) ; U1.13 v1(22.3,21.4) ; U1.2 v1(22.3,27) ; v1(32.8,14) R8.1 ; U2.1 32.85,12.95 R8.1 ; J5.2 42.1,12.8 41.4,12.1 41.4,10.4 41,10 D1.1 32,10.825 32,12.175 32.8,12.975 R8.1
  Bottom Layer w0.25: v1(20.2,24.5) v1@20.221,24.5 ; v1(20.375,21.4) 21.025,22.05 ; v1(22.3,27) 22.283,26.983 22.283,26.562 v1@20.221,24.5 ; v1(32.8,14) 36.3,17.5 36.3,19.4 34.3,21.4 v1(22.3,21.4) 21.65,22.05 21.025,22.05 ; v1@20.221,24.5 21.025,23.696 21.025,22.05
GATE: Q1.1 Q2.1 R1.2 R2.2 R3.2 R5.2 | length 7.8
  Top Layer w0.172: Q1.1 14.94,22.285 ; Q2.1 Q2.1@14.422,25.785 ; Q2.1@14.529,25.566 14.422,25.673 Q2.1@14.422,25.785 ; 14.999,25.785 15.7,26.486 R1.2 ; R3.2 15.7,21.525 14.94,22.285 ; R2.2@15.7,24.507 R5.2 15.7,22.975 15.01,22.285 14.94,22.285 ; R2.2 15.7,25.025 14.94,25.785 Q2.1@14.422,25.785
GND: C5.1 C6.1 C7.1 C8.1 C9.1 C10.1 C11.1 C12.1 C13.1 C14.1 C15.1 C16.1 C17.1 C18.1 C19.1 C20.1 C21.1 C22.1 D3.1 J1.1 J1.2 J2.1 J2.2 J3.2 J3.3 J3.MP1 J3.MP2 J4.1 J4.2 J5.1 J5.MP1 J5.MP2 MP1.1 MP2.1 MP3.1 MP4.1 PT1.2 R4.1 R6.2 R16.1 R18.2 TP2.1 U1.7 U2.2 U3.3 U4.1 U4.3 U5.2 | length 12.1
  Top Layer w0.2: C11.1 23.015,16.7 23.388,16.326 23.388,16.312 23.454,16.246 23.454,15.923 v1(23.53,15.847) ; R18.2 v1(24.5,19.2)
  Top Layer w0.25: R16.1 12.2,19.375 12.6,18.975 J2.1 ; v1(19.1,18.3) C17.1 ; D3.1 v1(29.5,26.2) ; v1(32,15.8) U4.3 ; U3.3 v1(34.1,19.3) ; v1(34,12.3) 34.095,12.3 34.23,12.165 34.735,12.165 U2.2 ; U4.1 35.2,14.855 v1(35.2,14.1) ; C12.1 v1(40.3,14)
  Top Layer w0.5: R4.1 16.088,30.987 16.088,29.712 v1(16.1,29.7)
  other v1: 3.5,1.25 46.5,1.25 2.375,1.551 4.625,1.551 45.375,1.551 47.625,1.551 10.702,1.804 15.702,1.804 20.702,1.804 25.702,1.804 30.702,1.804 35.702,1.804 40.702,1.804 1.551,2.375 5.449,2.375 44.551,2.375 48.449,2.375 1.25,3.5 5.75,3.5 44.25,3.5 48.75,3.5 1.551,4.625 5.449,4.625 44.551,4.625 48.449,4.625 2.375,5.449 4.625,5.449 45.375,5.449 47.625,5.449 3.5,5.75 46.5,5.75 8.202,6.804 28.202,6.804 33.202,6.804 38.202,6.804 43.202,6.804 48.202,6.804 6.9,7.8 8.1,7.8 9.3,7.8 10.5,7.8 1.3,8.8 3.9,8.8 14.6,8.8 6.9,9 8.1,9 9.3,9 45.5,9.2 46.3,9.2 47.1,9.2 47.8,9.2 1.3,9.6 3.9,9.6 12.1,9.7 19.5,9.8 14.6,10.1 8,10.2 1.3,10.4 3.9,10.4 19.5,10.5 12.1,10.9 1.3,11.2 3.9,11.2 19.5,11.2 8,11.4 45.5,11.6 46.3,11.6 47.1,11.6 47.8,11.6 12.1,12.1 13.2,12.1 14.4,12.1 15.6,12.1 8,12.6 8,13.8 42,13.9 42.8,13.9 43.6,13.9 44.4,13.9 45.2,13.9 46,13.9 46.7,13.9 8,15 12.3,15 13,15 13.7,15 27.5,15.5 45.5,16 46.3,16 47.1,16 47.8,16 27.5,16.7 8.202,16.804 18.202,16.804 33.202,16.804 43.202,16.804 27.5,17.9 45.5,18.4 46.3,18.4 47.1,18.4 47.8,18.4 14.6,18.9 15.3,18.9 11.2,19 27.5,19.1 35.702,21.804 40.702,21.804 18.4,25.3 18.4,26.2 8.202,26.804 28.202,26.804 33.202,26.804 43.202,26.804 48.202,26.804 29.8,29.7 30.5,29.7 20.702,31.804 25.702,31.804 35.702,31.804 30.5,32.3 42.2,32.3 29.9,32.7 41.3,32.7 42.9,33.7 43.5,33.7 46.6,34.5 42.9,34.6 43.5,34.6 23.202,36.804 28.202,36.804 33.202,36.804 43.202,36.804 48.202,36.804 5.702,41.804 10.702,41.804 15.702,41.804 20.702,41.804 25.702,41.804 30.702,41.804 35.702,41.804 45.702,41.804 3.5,44.25 46.5,44.25 2.375,44.551 4.625,44.551 45.375,44.551 47.625,44.551 1.551,45.375 5.449,45.375 44.551,45.375 48.449,45.375 1.25,46.5 5.75,46.5 44.25,46.5 48.75,46.5 8.202,46.804 13.202,46.804 18.202,46.804 23.202,46.804 28.202,46.804 33.202,46.804 38.202,46.804 1.551,47.625 5.449,47.625 44.551,47.625 48.449,47.625 2.375,48.449 4.625,48.449 45.375,48.449 47.625,48.449 3.5,48.75 46.5,48.75
NetC1_1: C1.1 C2.2 C7.2 C8.2 L1.1 L3.2 L4.1
NetC1_2: C1.2 C2.1 C9.2 C10.2 J1.3 L1.2 L4.2 PT1.1 | length 5.7
  Top Layer w0.5: PT1.1 41.75,28.65 43.45,30.35 43.45,32.475 J1.3
NetC3_2: C3.2 C4.2 L3.1 R4.2
NetC13_2: C13.2 C14.2 D2.1 R17.1 U5.1
NetC15_2: C15.2 C16.2 SJ1.1 U5.5
NetC17_2: C17.2 R19.1 | length 1.5
  Top Layer w0.2: C17.2 R19.1
NetD1_2: D1.2 R7.1 | length 1.5
  Top Layer w0.25: D1.2@31.187,9.988 D1.2 31.187,10.012 31.187,11.488 R7.1
NetD2_2: D2.2 J3.1 | length 16.2
  Top Layer w0.5: J3.1 11,8.6 11.8,7.8 19.7,7.8 22,10.1 D2.2
NetD3_2: D3.2 R20.1 | length 1.5
  Top Layer w0.25: R20.1 28.012,23.687 29.488,23.687 D3.2
NetJ4_1: J4.3 R19.2 U1.1 U1.4 U1.9 U1.12 | length 25.9
  Top Layer w0.172: J4.3 17,17.6 18.3,18.9 19.2,18.9 19.611,19.311 19.611,20.111 U1.9 ; U1.9@19.615,20.115 U1.9 ; U1.4 21,24.8 21.175,24.625 ; R19.2 21.65,18.45 U1.12 21.65,22.45 22.725,23.525 22.725,24.625 ; U1.1 22.943,25.793 22.943,24.843 22.725,24.625 ; U1.9 19.7,23.15 21.175,24.625 ; 21.175,24.625 22.725,24.625
NetR1_1: R1.1 U1.3 | length 5.6
  Top Layer w0.2: R1.1 17.3,26.515 17.674,26.888 17.781,26.888 17.792,26.9 21.533,26.9 21.65,26.783 U1.3
NetR2_1: R2.1 U1.6 | length 3.4
  Top Layer w0.2: 17.3,24.5 19.2,24.5 19.625,24.925 19.625,25.725 U1.6
NetR3_1: R3.1 U1.8 | length 2.7
  Top Layer w0.2: R3.1 17.581,21.219 18.656,21.219 19.05,20.825 U1.8
NetR5_1: R5.1 U1.11 | length 6.1
  Top Layer w0.25: R5.1 v1(19.114,23) ; v1(20.4,23) 21,22.4 U1.11
  Layer 3 w0.25: v1(19.114,23) v1(20.4,23)
NetR9_2: R9.2 U2.4 | length 1.8
  Top Layer w0.25: U2.4 38.275,11.05 38.7,11.475 R9.2
NetR11_1: R11.1 R13.2 R14.2 U3.2 | length 5
  Top Layer w0.25: U3.2 35.227,20.158 40.043,20.158 R11.1
NetR12_1: R12.1 R15.1 U2.5 | length 6.2
  Top Layer w0.25: U2.5 37.071,12.029 36.371,12.029 36.1,12.3 36.1,13.5 37.1,14.5 R12.1 R15.1
NetR17_2: R17.2 R18.1 U5.3 | length 7.4
  Top Layer w0.25: R17.2 24.633,15.433 R17.2@24.795,15.433 ; R18.1 24.5,15.65 24.65,15.5 v1(25.4,15.5)
  Top Layer w0.5: U5.3 28.481,14.381 29.181,14.381 v1(29.2,14.4)
  Bottom Layer w0.25: v1(25.4,15.5) 26.5,14.4 v1(29.2,14.4)
SOURCE: J2.3 Q1.2 Q2.2 R6.1 | length 5.4
  Top Layer w0.25: R6.1 9.925,19.025 11.45,17.5 J2.3
  other v1: 11.2,19.8 11.2,21.4 13,21.4 14.7,21.4 11.2,22.3 12.9,22.4 14.1,23.3 13.1,24.1 14,26.7 13,27.6
TSENSE: R13.1 R14.1 R15.2 R16.2 U3.1 | length 27.1
  Top Layer w0.25: R16.2 v1(15.1,20.5) ; v1(34.2,18.4) 34.207,18.393 35.163,18.393 U3.1 35.228,18.443 38.543,18.443 R13.1 R15.2
  Bottom Layer w0.25: v1(15.1,20.5) 16.1,20.5 16.4,20.2 28.3,20.2 30.1,18.4 v1(34.2,18.4)
pads on no net: U2.3 U5.4

## Polygon pours and split planes (outlines as drawn)
GND on Top Layer "GND_L01_P023" (solid, remove dead copper, pour order 23): 10.9,19.5 10.9,18.4 15.7,18.4 15.7,19.5
GND on Top Layer "NONET_L-01_P-001" (solid, remove dead copper, pour order 22): 0,50 0,43 50,43 50,50
GND on Top Layer "NONET_L-01_P-001" (solid, remove dead copper, pour order 21): 0,7 50,7 50,0 0,0
+5V on Top Layer "+5V_L01_P013" (solid, remove dead copper, pour order 13): 22.5,17.8 23.8,17.8 23.8,19 24.9,19 24.9,24.9 26.8,24.9 26.8,26 23.3,26 23.3,21.1 22.5,21.1
NetC15_2 on Top Layer "NETC15_2_L01_P012" (solid, remove dead copper, pour order 12): 26.9,24.1 26.9,15.9 25.1,15.9 25.1,24.1
NetC13_2 on Top Layer "NONET_L-01_P-001" (solid, remove dead copper, pour order 11): 20.4,16 23.8,16 23.8,14.5 25.3,14.5 25.3,15.1 27,15.1 27,8 24,8 24,12 20.4,12
GND on Top Layer "GND_L01_P010" (solid, remove dead copper, pour order 10): 41,34.9 41,30 42.5,30 42.5,33.278 43.9,33.278 43.9,30 45.5,30 45.5,25.7 47,25.7 47,34.9
NetC1_2 on Top Layer "NETC1_2_L01_P008" (solid, remove dead copper, pour order 8): 38.5,42.7 40.6,42.7 40.6,29.5 42.5,29.5 42.5,24.8 38.4,24.8 38.4,29.8 36.8,29.8 36.8,35 38.5,35
NetC1_1 on Top Layer "NETC1_1_L01_P006" (solid, remove dead copper, pour order 6): 31,27.2 30.5,27.2 30.5,22.4 32.6,22.4 32.6,30 35.2,30 35.2,35 32.6,35 32.6,40.7 20.3,40.7 20.3,38 29,38 29,35.204 31,35.204
NetC3_2 on Top Layer "NETC3_2_L01_P005" (solid, remove dead copper, pour order 5): 18.3,37 18.3,28.5 28.7,28.5 28.7,30.9 19.9,30.9 19.9,37
SOURCE on Top Layer "SOURCE_L01_P003" (solid, remove dead copper, pour order 3): 9.2,23.52 10.9,23.52 10.9,22.9 12.5,22.9 12.5,28.2 14.8,28.2 14.8,26.3 13.5,26.3 13.5,25.4 15,25.4 15,19.5 9.2,19.5 9.2,21.29
DRAIN on Top Layer "DRAIN_L01_P002" (solid, remove dead copper, pour order 2): 12.5,28.2 15.427,28.2 15.427,32 16.6,32 16.6,37.7 11.5,37.7 11.397,28.2 9.2,28.2 9.2,23.5 10.9,23.5 10.9,22.9 12.5,22.9
AUDIO on Top Layer "AUDIO_L01_P001" (solid, remove dead copper, pour order 1): 6,9.5 4.4,9.5 4.4,11.8 1.6,11.8 1.6,38 5,38 5,28.9 4,28.9 4,16.2 6,16.2 6,15.4
GND on Top Layer "GND_L01_P000" (solid, remove dead copper, pour order 0): 9.542,9.5 11.942,7.1 26.5,7.1 27.1,7.7 27.1,22.5 30,22.5 29.5,22 29.5,5 8,5 6.5,6.5 6.5,16.2 4,16.2 4,28.2 9.2,28.2 9.2,17.5 9.542,17.5
+5V on Layer 3 "+5V_L03_P015" (solid, remove dead copper, pour order 15): 1,1 1,49 49,49 49,1
SOURCE on Layer 3 "NONET_L-01_P-001" (solid, remove dead copper, pour order 4): 9.4,23.3 12.6,23.3 12.6,28 15,28 15,19.5 9.4,19.5
GND on Layer 2 "GND_L02_P014" (solid, remove dead copper, pour order 14): 0,0 0,50 50,50 50,0
GND on Bottom Layer "GND_L04_P017" (solid, remove dead copper, pour order 17): 0,0 0,50 50,50 50,0

## Other copper
Top Layer:
  rectangle net GND: 41.6,13.6 47.1,15.3
  rectangle net GND: 45.1,15.6 48.2,18.7
  rectangle net GND: 45.1,8.8 48.2,11.9
  rectangle net GND: 29.5,29.3 30.8,35
  rectangle net GND: 17.9,9.4 20,11.6
  rectangle net GND: 11.8,8.5 16.1,12.5
  rectangle net GND: 11.9,14.7 14.1,16.6
  rectangle net GND: 1,8.5 4.3,11.5
  rectangle net GND: 18.1,25 18.9,26.6

## Silkscreen, mask and mechanical layers (free items; w line width, h text height)
Top Overlay:
  text "RF-OUT" at 48.565,29.85 h2 r90
  text "PWR" at 26.75,26.365 h2
  text "+5V" at 41.25,20.965 h2
  text "GND" at 6.55,15.735 h2
  text "GND" at 43.465,15.75 h2 r90
  text "I-MON" at 16.465,15.25 h2 r90
  text "GND" at 31.465,14 h2 r90
  text "AUD" at 0.5,13.065 h2
  text "VCC" at 12.25,13.035 h2
  text "ERR" at 43.435,9.25 h2 r90
  text "RF-IN" at 15.25,7.565 h2
  text "ERROR" at 30.55,7.535 h2
Bottom Overlay:
  rectangle: 23.5,32.5 31.5,40.5
  text ".board_name / .board_revision.- / Git ID :" at 22.5,33.744 h3
  text ".VersionControl_RevNumberShort" at 14.5,28.281 h3
Top Solder:
  rectangle: 0,0 50,7
  rectangle: 0,43 50,50
Bottom Solder:
  rectangle: 0,42 50,50
  rectangle: 0,0 50,7
Fab Notes:
  drawing of 196 lines, arcs and shapes, not listed
  text "Layer" at 63.191,95.191 h2
  text "Name" at 71.413,95.191 h2
  text "Material" at 87.669,95.191 h2
  text "Thickness" at 98.913,95.191 h2
  text "Constant" at 110.42,95.191 h2
  text "Board Layer Stack" at 121.462,95.191 h2
  text "Top Overlay" at 71.413,91.191 h2
  text "Top Solder" at 71.413,87.191 h2
  text "SM-001" at 87.669,87.191 h2
  text "1.00mil" at 98.913,87.191 h2
  text "4" at 110.42,87.191 h2
  text "1" at 63.191,83.191 h2
  text "Top Layer" at 71.413,83.191 h2
  text "CF-004" at 87.669,83.191 h2
  text "1.38mil" at 98.913,83.191 h2
  text "Dielectric 2" at 71.413,79.191 h2
  text "PP-022" at 87.669,79.191 h2
  text "8.20mil" at 98.913,79.191 h2
  text "4.5" at 110.42,79.191 h2
  text "2" at 63.191,75.191 h2
  text "Layer 2" at 71.413,75.191 h2
  text "CF-003" at 87.669,75.191 h2
  text "0.71mil" at 98.913,75.191 h2
  text "Dielectric 3" at 71.413,71.191 h2
  text "Core-042" at 87.669,71.191 h2
  text "39.00mil" at 98.913,71.191 h2
  text "4.6" at 110.42,71.191 h2
  text "3" at 63.191,67.191 h2
  text "Layer 3" at 71.413,67.191 h2
  text "CF-003" at 87.669,67.191 h2
  text "0.71mil" at 98.913,67.191 h2
  text "Dielectric 5" at 71.413,63.191 h2
  text "PP-022" at 87.669,63.191 h2
  text "8.20mil" at 98.913,63.191 h2
  text "4.5" at 110.42,63.191 h2
  text "4" at 63.191,59.191 h2
  text "Bottom Layer" at 71.413,59.191 h2
  text "CF-004" at 87.669,59.191 h2
  text "1.38mil" at 98.913,59.191 h2
  text "Bottom Solder" at 71.413,55.191 h2
  text "SM-001" at 87.669,55.191 h2
  text "1.00mil" at 98.913,55.191 h2
  text "4" at 110.42,55.191 h2
  text "Bottom Overlay" at 71.413,51.19 h2
  text "PCB Ordering guideline / ---------------------------- / 1. Layer count : .Layer_Count / 2. Dimensions : .Board_Width x .Board_Height / 3. PCB Thickness : 1.6mm / 4. PCB Color : green / 5. Silkscreen : white / 6. Material type : FR4-TG135 / 7. Surface finish : ENIG / 8. Gold thickness : 1U\" / 9. Outer copper weight : 1oz / 10. Inner copper weight : 0.5oz / 11. Impedance control : Yes / 12. Layer stackup : JLC04161H-7628 / 13. Via covering : Plugged / 14. Minimum hole size : .Hole_Size_Min / 15. Board outline tolerance : +/- 0.2mm / 16. Mark on PCB : 2D bardcode & Number | Data Matrix Code | .board_name _ABCDE_0001 | 8x8mm / 17. Gold fingers : No / 18. Castellated holes : No / 19. Hole count : .Hole_Count / 20. SMD solder joints : .PadSMD_Count / 21. Through-hole solder joints : .PadThru_Count" at 61,-8.961 h3
Board outline:
  the board outline again, w0.1